# Altium PCB TCM_IPBUS_MEZZANINE.PCBDOC (part 1 of 2)
Units mm, origin at the board's own origin, x right, y up, seen from the top; angles counter-clockwise.
Board outline 116.2 x 111.5 mm, 4 copper layers (Top Layer, Layer 1, Layer 2, Bottom Layer), stack 1.543 mm thick; 118 components, 113 nets, 484 pads, 176 vias.
Unrouted connection lines stored in the file: 4.
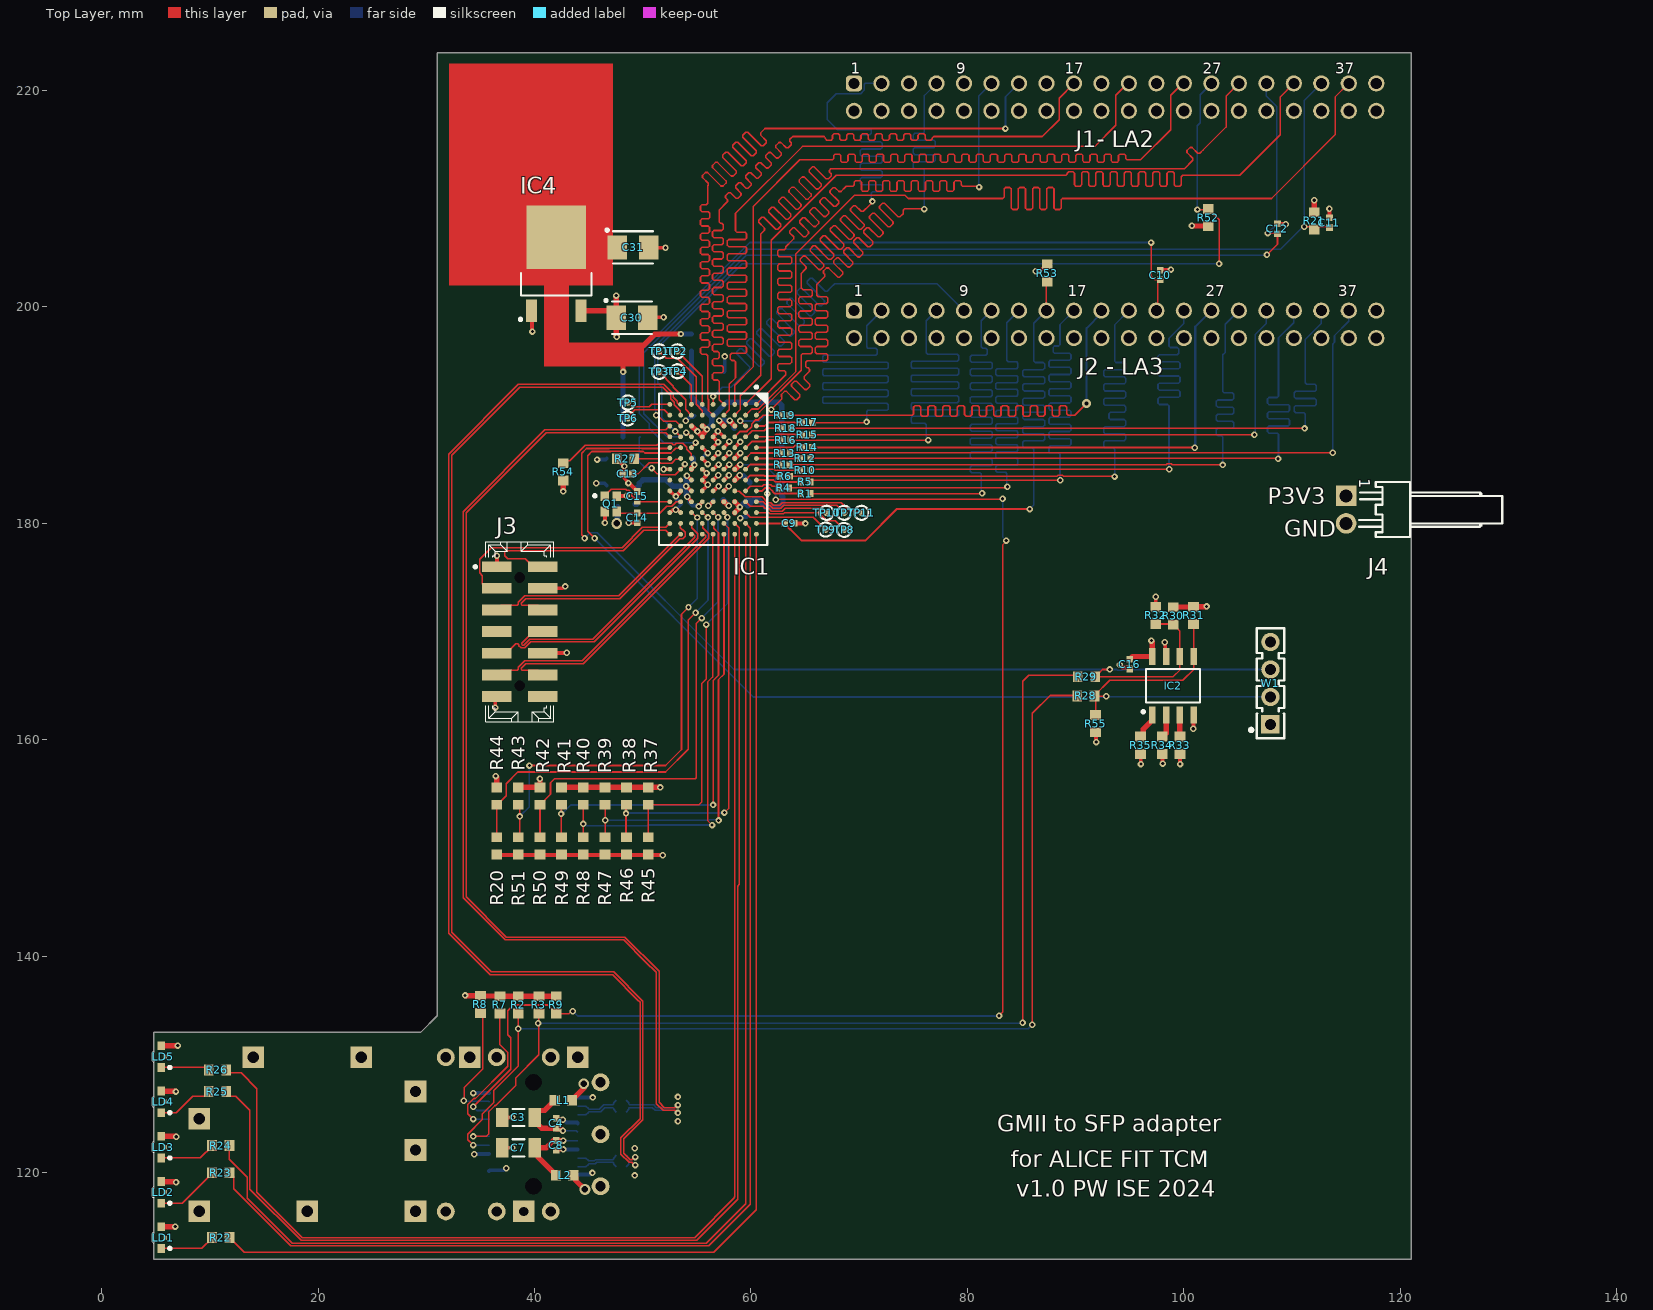
[diagram p0: Top Layer view]
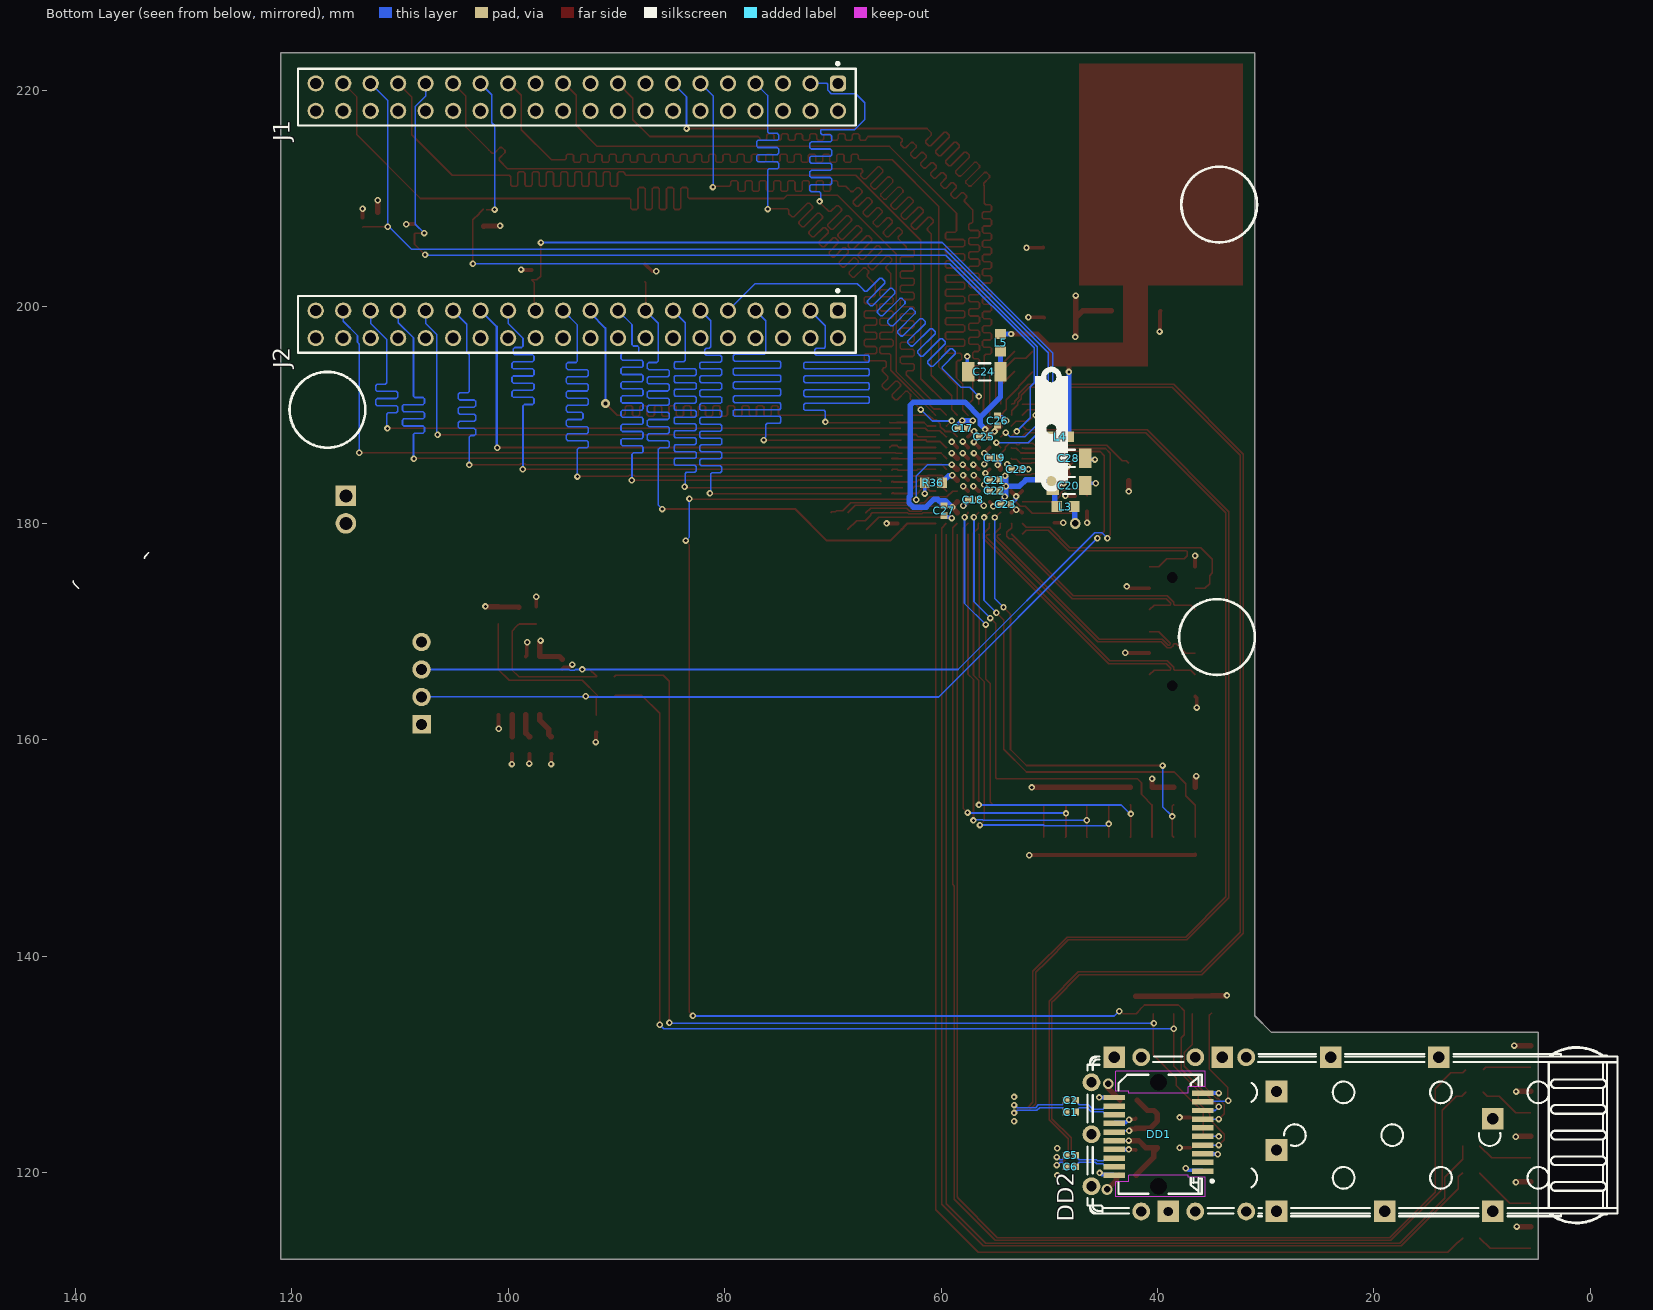
[diagram p1: Bottom Layer view, seen from below]
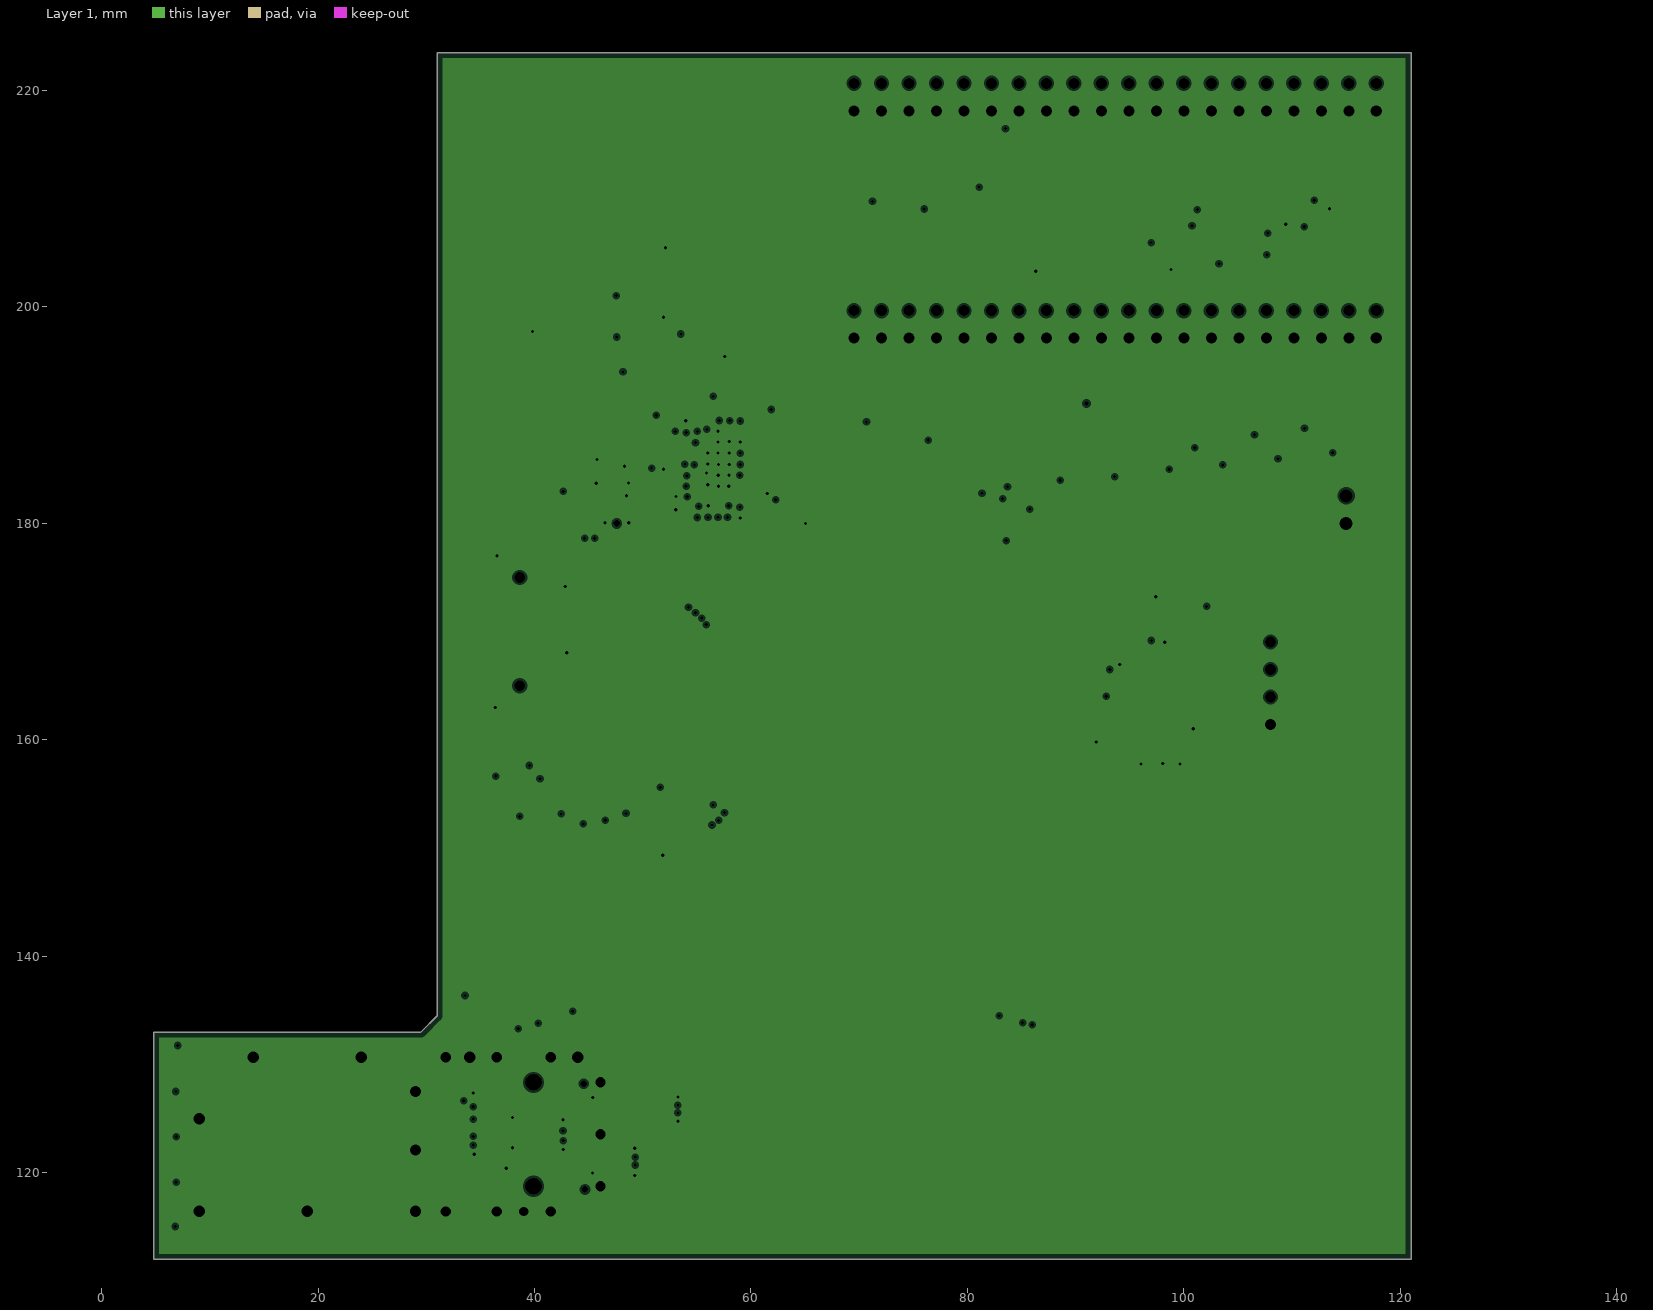
[diagram p2: Layer 1, clearances drawn from the general rule]
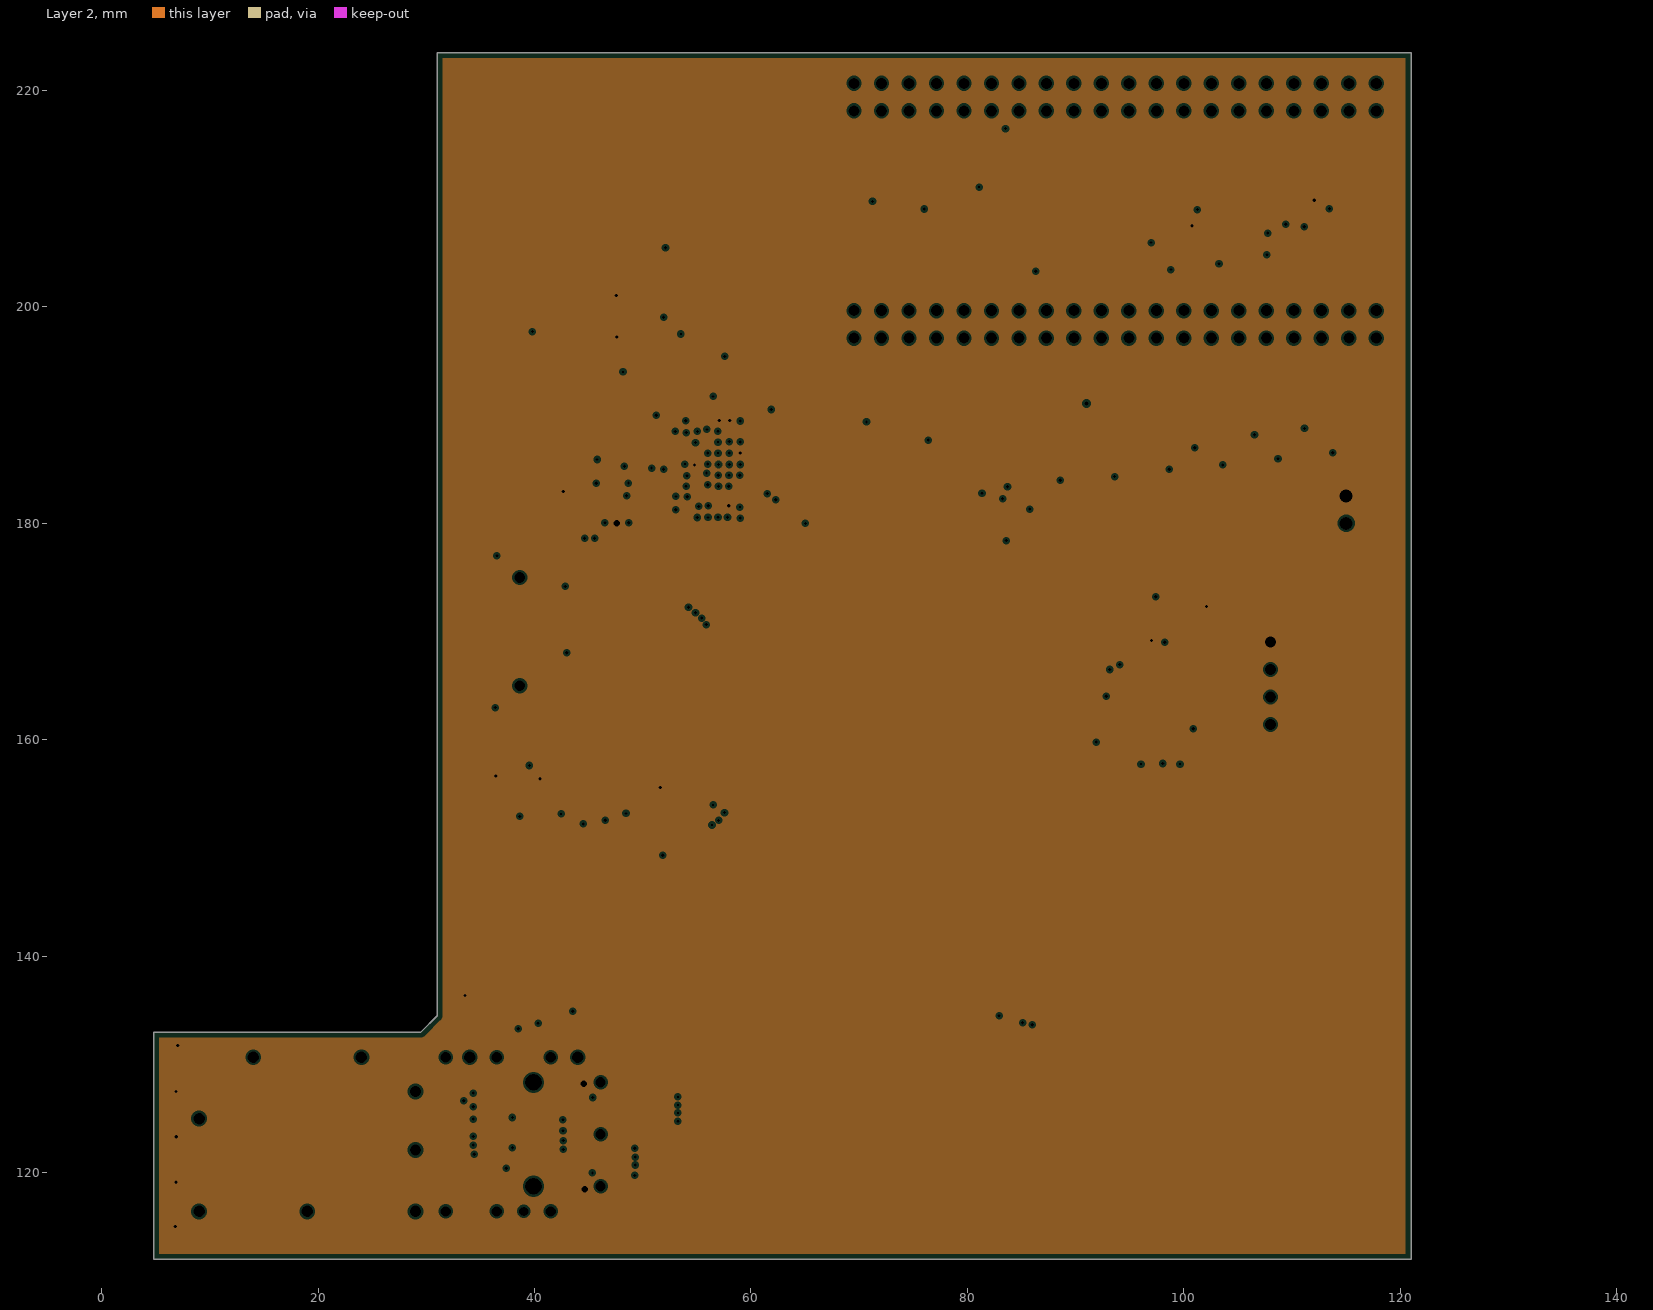
[diagram p3: Layer 2, clearances drawn from the general rule]
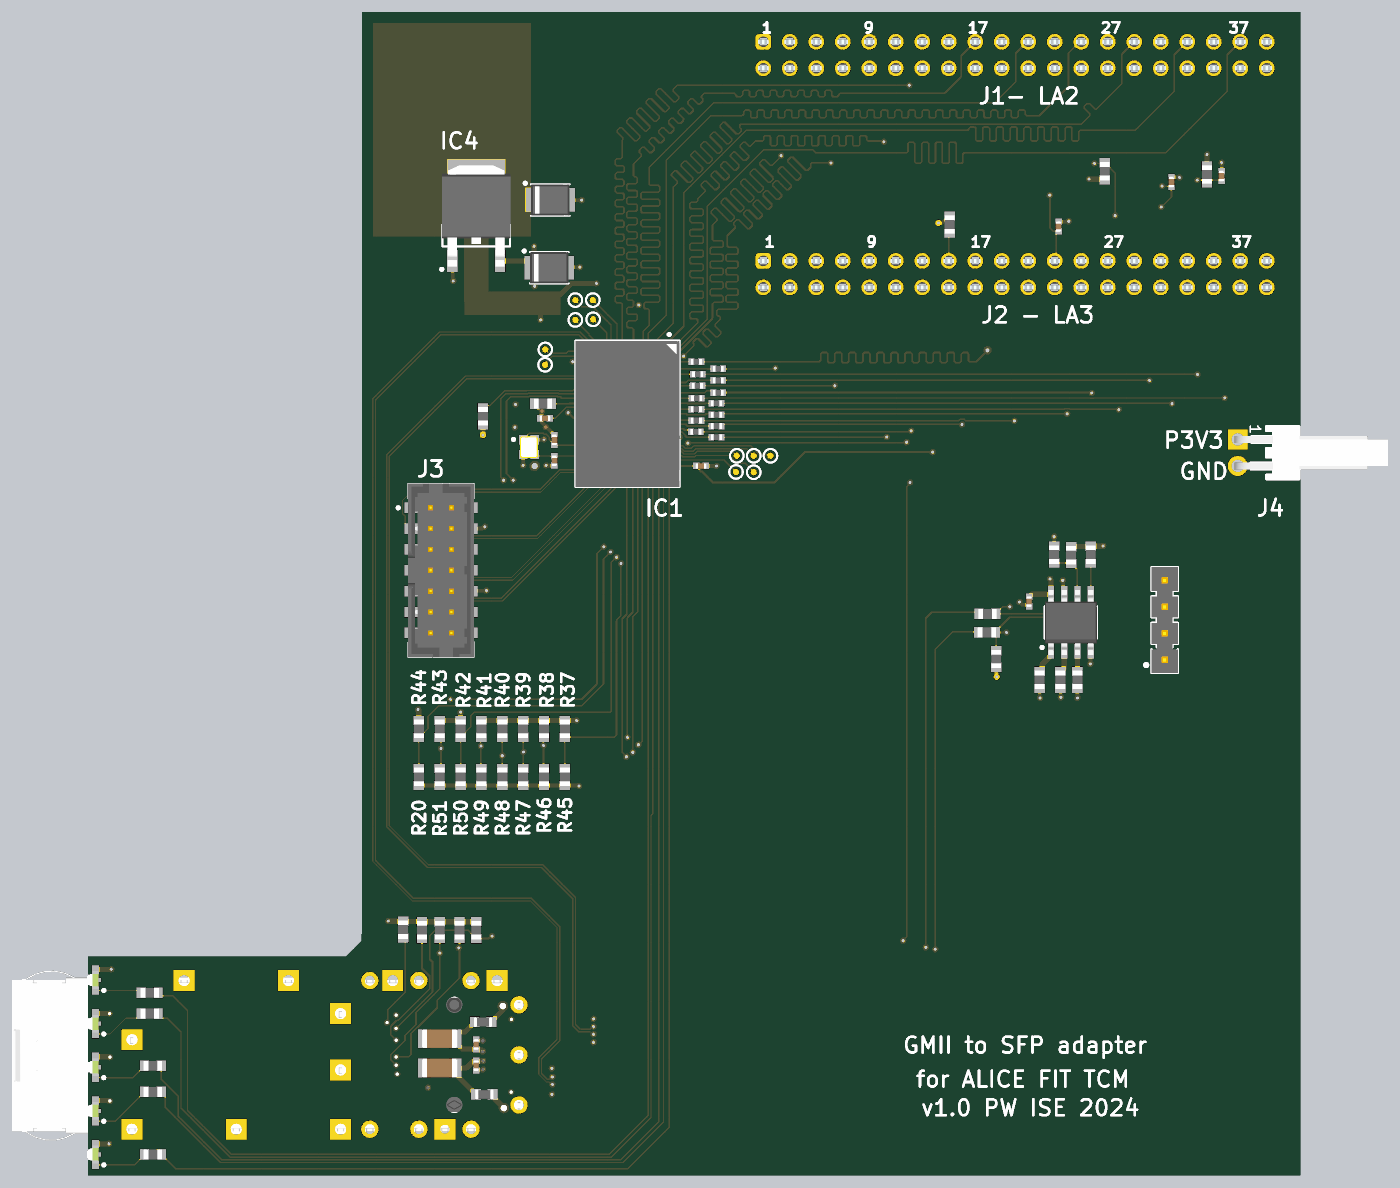
[diagram p5: 3D render of the assembled board from above, using the file's embedded part models]
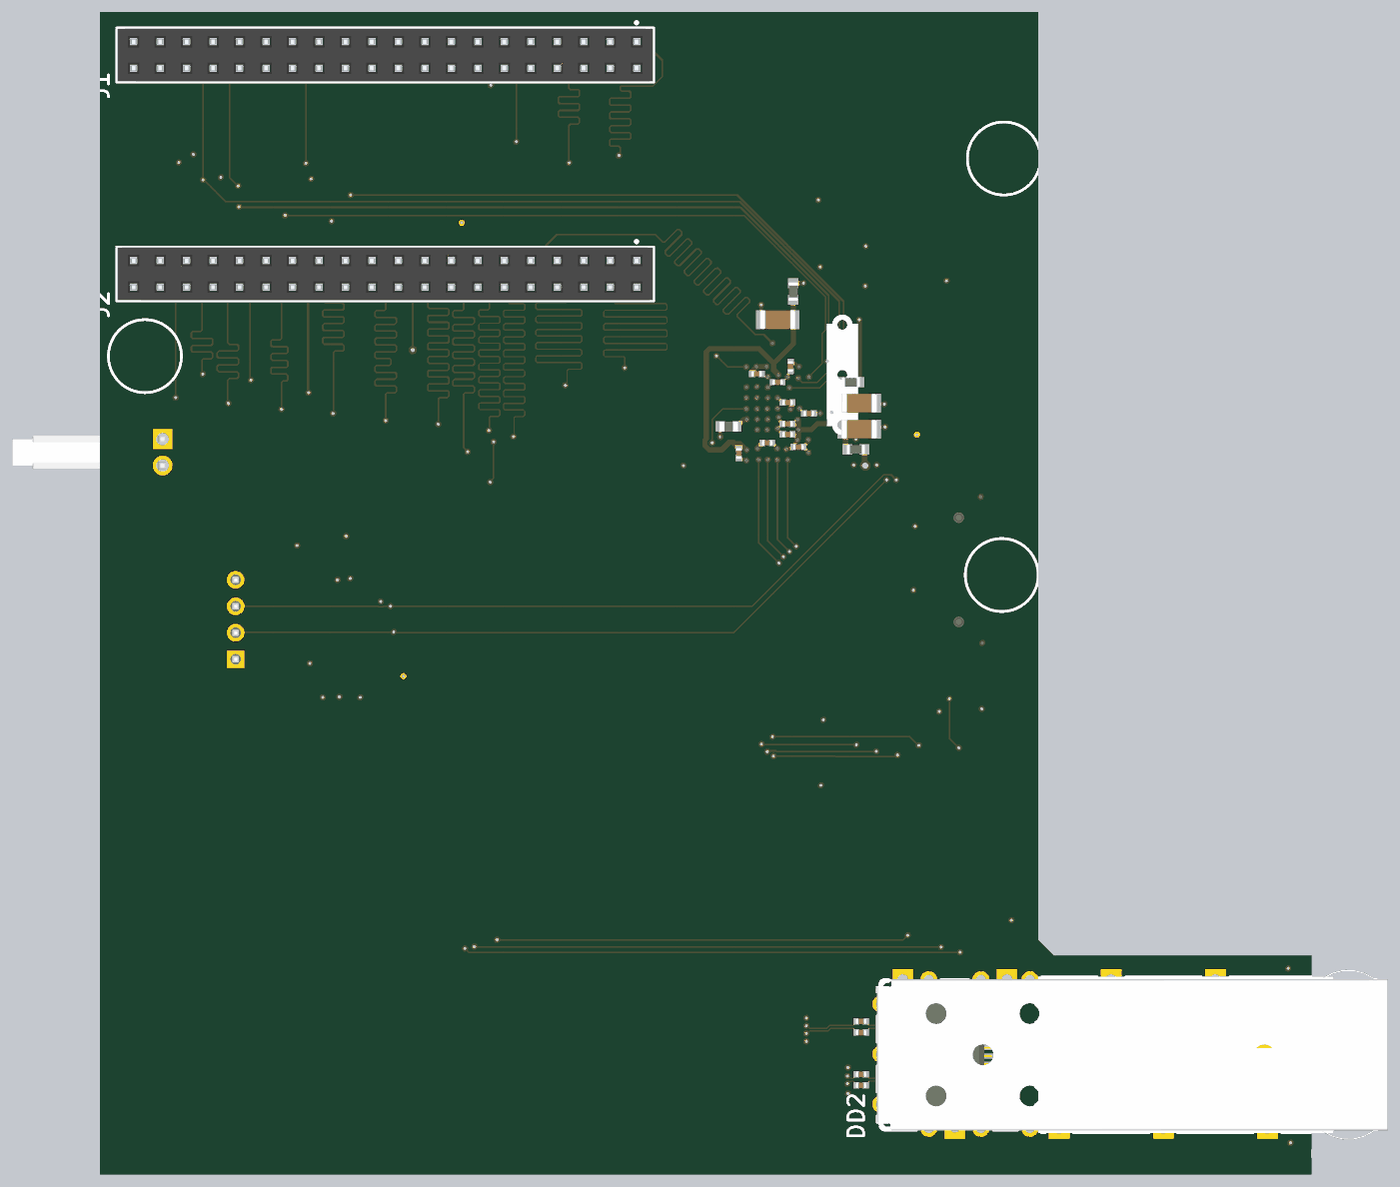
[diagram p6: 3D render of the assembled board from below, using the file's embedded part models]

## Layer stack, top to bottom
Top Solder: solder mask 0.025, Solder Resist, Dk 3.7
Top Layer: signal copper 0.0325
Dielectric 2: prepreg 0.138, PP-015, Dk 4.3
Layer 1: plane copper 0.036, net GND
Dielectric 1: dielectric 1.13, FR-4, Dk 4.6
Layer 2: plane copper 0.036, net P3V3
Dielectric 3: prepreg 0.138, PP-015, Dk 4.3
Bottom Layer: signal copper 0.0325
Bottom Solder: solder mask 0.025, Solder Resist, Dk 3.7

## Board outline
4.8,112 4.8,133 29.5,133 31,134.5 31,223.5 121,223.5 121,112

## Design rules (kind name [scope] priority, off if disabled: settings)
Clearance [All] p1: gap=0.13 ignorepadtopadclearanceinfootprint=FALSE
DiffPairsRouting [All] p1: maxlimit=0.14 minlimit=0.14 mostfreqgap=0.14 toplayer_minwidth=0.123 toplayer_maxwidth=0.123 toplayer_prefwidth=0.123 bottomlayer_minwidth=0.123 bottomlayer_maxwidth=0.123 bottomlayer_prefwidth=0.123 impedanceprofiledriven=TRUE impedanceprofileid={EC51CA1E-BECF-47AB-B32E-768EA1588609} impedanceprofilevalue=100.000000 maxuncoupledlength=12.7
HoleSize [All] p1: absolutevalues=TRUE maxlimit=5 minlimit=0.025 maxpercent=80.000 minpercent=20.000
HoleToHoleClearance [All] p1: gap=0.3 allowstackedmicrovias=TRUE
MinimumSolderMaskSliver [All] p1: minsoldermaskwidth=0
PlaneClearance [All] p1: clearance=0.2
PlaneConnect [All] p1: pad.planeconnectstyle=Relief pad.reliefexpansion=0.2 pad.reliefentries=4 pad.reliefconductorwidth=0.2 pad.reliefairgap=0.2 via.planeconnectstyle=Direct via.reliefexpansion=0.508 via.reliefentries=4 via.reliefconductorwidth=0.254 via.reliefairgap=0.254
PolygonConnect PolygonConnect_PWR [InNetClass('PWR') or InNet('GND')] p1: connectstyle=Direct reliefconductorwidth=0.254 reliefentries=4 polygonreliefangle="90 Angle" airgapwidth=0.254
PolygonConnect [All] p2: thpad.connectstyle=Direct thpad.reliefconductorwidth=0.254 thpad.reliefentries=4 thpad.polygonreliefangle="90 Angle" thpad.airgapwidth=0.254 smdpad.connectstyle=Relief smdpad.reliefconductorwidth=0.3 smdpad.reliefentries=4 smdpad.polygonreliefangle="90 Angle" smdpad.airgapwidth=0.2 via.connectstyle=Direct via.reliefconductorwidth=0.254 via.reliefentries=4 via.polygonreliefangle="90 Angle" via.airgapwidth=0.254
RoutingVias [All] p1: holewidth=0.3 width=0.6 viastyle="Through Hole" minholewidth=0.3 minwidth=0.6 maxholewidth=1 maxwidth=1.5
SilkToSilkClearance [All] p1: silktosilkclearance=0
SilkToSolderMaskClearance [IsPad] p1: minsilkscreentomaskgap=0 clearancetoexposedcopper=TRUE
SolderMaskExpansion [All] p1: expansion=0.051 istentingtop=FALSE
SupplyNets "Schematic Supply Nets" [InNet('P1V2')] p1: voltage=0.000
SupplyNets "Schematic Supply Nets_12" [InNet('P3V3')] p2: voltage=0.000
SupplyNets "Schematic Supply Nets_4" [InNet('GND')] p3: voltage=0.000
Width Width_PWR [InNetClass('PWR')] p1: maxlimit=3 minlimit=0.3 preferedwidth=0.5 minimp=50.000000 maximp=50.000000 favimp=50.000000
Width Width_S50 [InNetClass('SE50')] p2: maxlimit=0.225 minlimit=0.225 preferedwidth=0.225 impedanceprofiledriven=TRUE impedanceprofileid={F6893002-8B16-48FB-998A-99381A82A4D8} impedanceprofilevalue=50.000000 minimp=50.000000 maximp=50.000000 favimp=50.000000
Width [All] p3: maxlimit=2 minlimit=0.13 preferedwidth=0.15
22 further rules are at their usual default settings.

## Classes and differential pairs
differential pair GBT_TXC: +GBT_RXC_P -GBT_RXC_N
differential pair GBT_RXC: +GBT_TXC_P -GBT_TXC_N
differential pair MDI3: +MDI3_P -MDI3_N
differential pair MDI2: +MDI2_P -MDI2_N
differential pair MDI1: +MDI1_P -MDI1_N
differential pair MDI0: +MDI0_P -MDI0_N
differential pair GBT_TX: +GBT_TX_P -GBT_TX_N
differential pair GBT_RX: +GBT_RX_P -GBT_RX_N

## Components (designator, comment, footprint, x,y, rotation, side; value= is the part's Value field where it differs from the comment)
C1 "100nF" CAPC1005X55N 48,125.6 r0 bottom
C2 "100nF" CAPC1005X55N 48,126.695 r0 bottom
C3 "22uF" CAPC3216X180N 38.5,125.1 r0 top
C4 "100nF" CAPC1005X55N 42,124.55 r270 top
C5 "100nF" CAPC1005X55N 48,121.6 r0 bottom
C6 "100nF" CAPC1005X55N 48,120.545 r0 bottom
C7 "22uF" CAPC3216X180N 38.5,122.295 r0 top
C8 "100nF" CAPC1005X55N 42,122.52 r90 top
C9 "33pF" CAPC1005X55N 63.55,180 r180 top
C10 "33pF" CAPC1005X55N 97.825,202.95 r270 top
C11 "33pF" CAPC1005X55N 113.45,207.8 r270 top
C12 "33pF" CAPC1005X55N 108.65,207.225 r270 top
C13 "100nF" CAPC1005X55N 48.6,184.57 r0 top
C14 "33pF" CAPC1005X55N 49.5,180.5 r90 top
C15 "33pF" CAPC1005X55N 49.5,182.5 r270 top
C16 "100nF" CAPC1005X55N 95,167 r90 top
C17 "100nF" CAPC1005X55N 58,188.8 r0 bottom
C18 "100nF" CAPC1005X55N 57,182.179 r0 bottom
C19 "100nF" CAPC1005X55N 55.05,186.057 r180 bottom
C20 "22uF" CAPC3216X180N 48.175,183.5 r0 bottom
C21 "100nF" CAPC1005X55N 55.05,184 r180 bottom
C22 "100nF" CAPC1005X55N 55.05,183 r180 bottom
C23 "100nF" CAPC1005X55N 54,181.775 r0 bottom
C24 "22uF" CAPC3216X180N 56,194 r180 bottom
C25 "100nF" CAPC1005X55N 56,188 r180 bottom
C26 "100nF" CAPC1005X55N 54.77,189.505 r270 bottom
C27 "100nF" CAPC1005X55N 59.715,181.171 r90 bottom
C28 "22uF" CAPC3216X180N 48.175,186 r0 bottom
C29 "100nF" CAPC1005X55N 53,185 r0 bottom
C30 "22uF" CAPMP3528X210N 49,199 r0 top
C31 "22uF" CAPMP3528X210N 49.1,205.5 r0 top
DD1 "SFP+" AMPHENOL_UE76A203000 39.9,123.545 r0 bottom locked
DD2 "SFP+" AMPHENOL_U77A16131001 39.9,123.545 r0 bottom locked
IC1 "VSC8211XVW" BGA117C100P13X9_1400X1000X170 56.5,185 r270 top
IC2 "24LC256-I/SN" SOIC127P600X175-8N 99,165 r90 top
IC4 "LD1117DT12TR" TO228P972X240-3N-R540X510 42,204 r90 top
J1 "61304021821" 61304021821 93.65,219.39 r0 bottom locked
J2 "61304021821" 61304021821 93.65,198.39 r0 bottom locked
J3 "Milli-Grid™" MOLEX_87832-1420 38.625,170 r270 top
J4 "KK®" MOLEX_22-05-7028 115.003,181.27 r270 top
L1 "220R@100MHz" INDC1608X95N 42.66,126.7 r180 top
L2 "220R@100MHz" INDC1608X95N 42.775,119.755 r180 top
L3 "220R@100MHz" INDC1608X95N 48.5,181.55 r0 bottom
L4 "220R@100MHz" INDC1608X95N 48.975,188 r0 bottom
L5 "220R@100MHz" INDC1608X95N 54.5,196.7 r270 bottom
LD1 "Green" LED_AVAGO_HSME-C120 5.5,114 r90 top locked
LD2 "Green" LED_AVAGO_HSME-C120 5.5,118.18 r90 top locked
LD3 "Green" LED_AVAGO_HSME-C120 5.5,122.361 r90 top locked
LD4 "Green" LED_AVAGO_HSME-C120 5.5,126.541 r90 top locked
LD5 "Green" LED_AVAGO_HSME-C120 5.5,130.722 r90 top locked
Q1 "25MHz" XTAL_TXC_8Y 47.05,181.8 r0 top
R1 "0" RESC1005X40N 65.03,182.752 r180 top
R2 "10k" RESC1608X55N 38.5,135.5 r90 top
R3 "10k" RESC1608X55N 40.4,135.5 r90 top
R4 "0" RESC1005X40N 63.05,183.275 r180 top
R5 "0" RESC1005X40N 65.03,183.827 r180 top
R6 "0" RESC1005X40N 63.1,184.35 r180 top
R7 "10k" RESC1608X55N 36.8,135.5 r90 top
R8 "10k" RESC1608X55N 35,135.55 r90 top
R9 "10k" RESC1608X55N 42,135.5 r90 top
R10 "0" RESC1005X40N 65.03,184.902 r180 top
R11 "0" RESC1005X40N 63.1,185.425 r180 top
R12 "0" RESC1005X40N 65.03,186 r180 top
R13 "0" RESC1005X40N 63.13,186.5 r180 top
R14 "0" RESC1005X40N 65.2,187.023 r180 top
R15 "0" RESC1005X40N 65.2,188.2 r180 top
R16 "0" RESC1005X40N 63.2,187.7 r180 top
R17 "0" RESC1005X40N 65.2,189.323 r180 top
R18 "0" RESC1005X40N 63.23,188.8 r180 top
R19 "0" RESC1005X40N 63.1,190 r180 top
R20 "0" RESC1608X55N 36.5,150.2 r90 top
R21 "4k7" RESC1608X55N 112.05,207.95 r90 top
R22 "470" RESC1608X55N 11,114 r0 top
R23 "470" RESC1608X55N 11,120 r0 top
R24 "470" RESC1608X55N 11,122.5 r0 top
R25 "470" RESC1608X55N 10.7,127.5 r0 top
R26 "470" RESC1608X55N 10.7,129.5 r0 top
R27 "2k" RESC1608X55N 48.405,185.975 r0 top
R28 "0" RESC1608X55N 90.95,164.05 r180 top
R29 "0" RESC1608X55N 91,165.825 r180 top
R30 "4k7" RESC1608X55N 99.025,171.45 r90 top
R31 "4k7" RESC1608X55N 100.905,171.5 r90 top
R32 "0" RESC1608X55N 97.4,171.5 r270 top
R33 "470" RESC1608X55N 99.635,159.5 r90 top
R34 "470" RESC1608X55N 98,159.5 r90 top
R35 "470" RESC1608X55N 96,159.5 r90 top
R36 "2k" RESC1608X55N 60.7,183.75 r180 bottom
R37 "Undefined" RESC1608X55N 50.5,154.8 r90 top
R38 "Undefined" RESC1608X55N 48.5,154.8 r90 top
R39 "Undefined" RESC1608X55N 46.5,154.8 r90 top
R40 "5k9" RESC1608X55N 44.5,154.8 r90 top
R41 "2k26" RESC1608X55N 42.5,154.8 r90 top
R42 "Undefined" RESC1608X55N 40.5,154.8 r90 top
R43 "Undefined" RESC1608X55N 38.5,154.8 r90 top
R44 "Undefined" RESC1608X55N 36.5,154.8 r90 top
R45 "0" RESC1608X55N 50.5,150.2 r90 top
R46 "12k1" RESC1608X55N 48.5,150.2 r90 top
R47 "0" RESC1608X55N 46.5,150.2 r90 top
R48 "Undefined" RESC1608X55N 44.5,150.2 r90 top
R49 "Undefined" RESC1608X55N 42.5,150.2 r90 top
R50 "4k02" RESC1608X55N 40.5,150.2 r90 top
R51 "0" RESC1608X55N 38.5,150.2 r90 top
R52 "4k7" RESC1608X55N 102.25,208.25 r270 top
R53 "4k7" RESC1608X55N 87.376,203.137 r270 top
R54 "2k" RESC1608X55N 42.647,184.76 r90 top
R55 "0" RESC1608X55N 91.846,161.493 r270 top
TP1 "SMD Pad" C60 51.5,195.9 r90 top
TP2 "SMD Pad" C60 53.179,195.9 r90 top
TP3 "SMD Pad" C60 51.5,194 r90 top
TP4 "SMD Pad" C60 53.208,194.058 r90 top
TP5 "SMD Pad" C60 48.619,191.169 r90 top
TP6 "SMD Pad" C60 48.6,189.7 r90 top
TP7 "SMD Pad" C60 68.605,180.975 r90 top
TP8 "SMD Pad" C60 68.605,179.4 r90 top
TP9 "SMD Pad" C60 66.904,179.426 r90 top
TP10 "SMD Pad" C60 66.98,180.975 r90 top
TP11 "SMD Pad" C60 70.206,180.975 r90 top
W1 "Header 4" SAMTEC_HTSW-104-23-L-S 108,161.42 r90 top
